# Altium PCB FMC_ADC_130M_16B_4CH.PcbDoc (part 7 of 8)
Units mm, origin at the board's own origin, x right, y up, seen from the top; angles counter-clockwise.
Board outline 76.78 x 69 mm, 8 copper layers (Top Layer, GND1, L3, GND2, L5, GND3, POWER, Bottom Layer), stack 1.329 mm thick; 397 components, 449 nets, 2112 pads, 1765 vias.
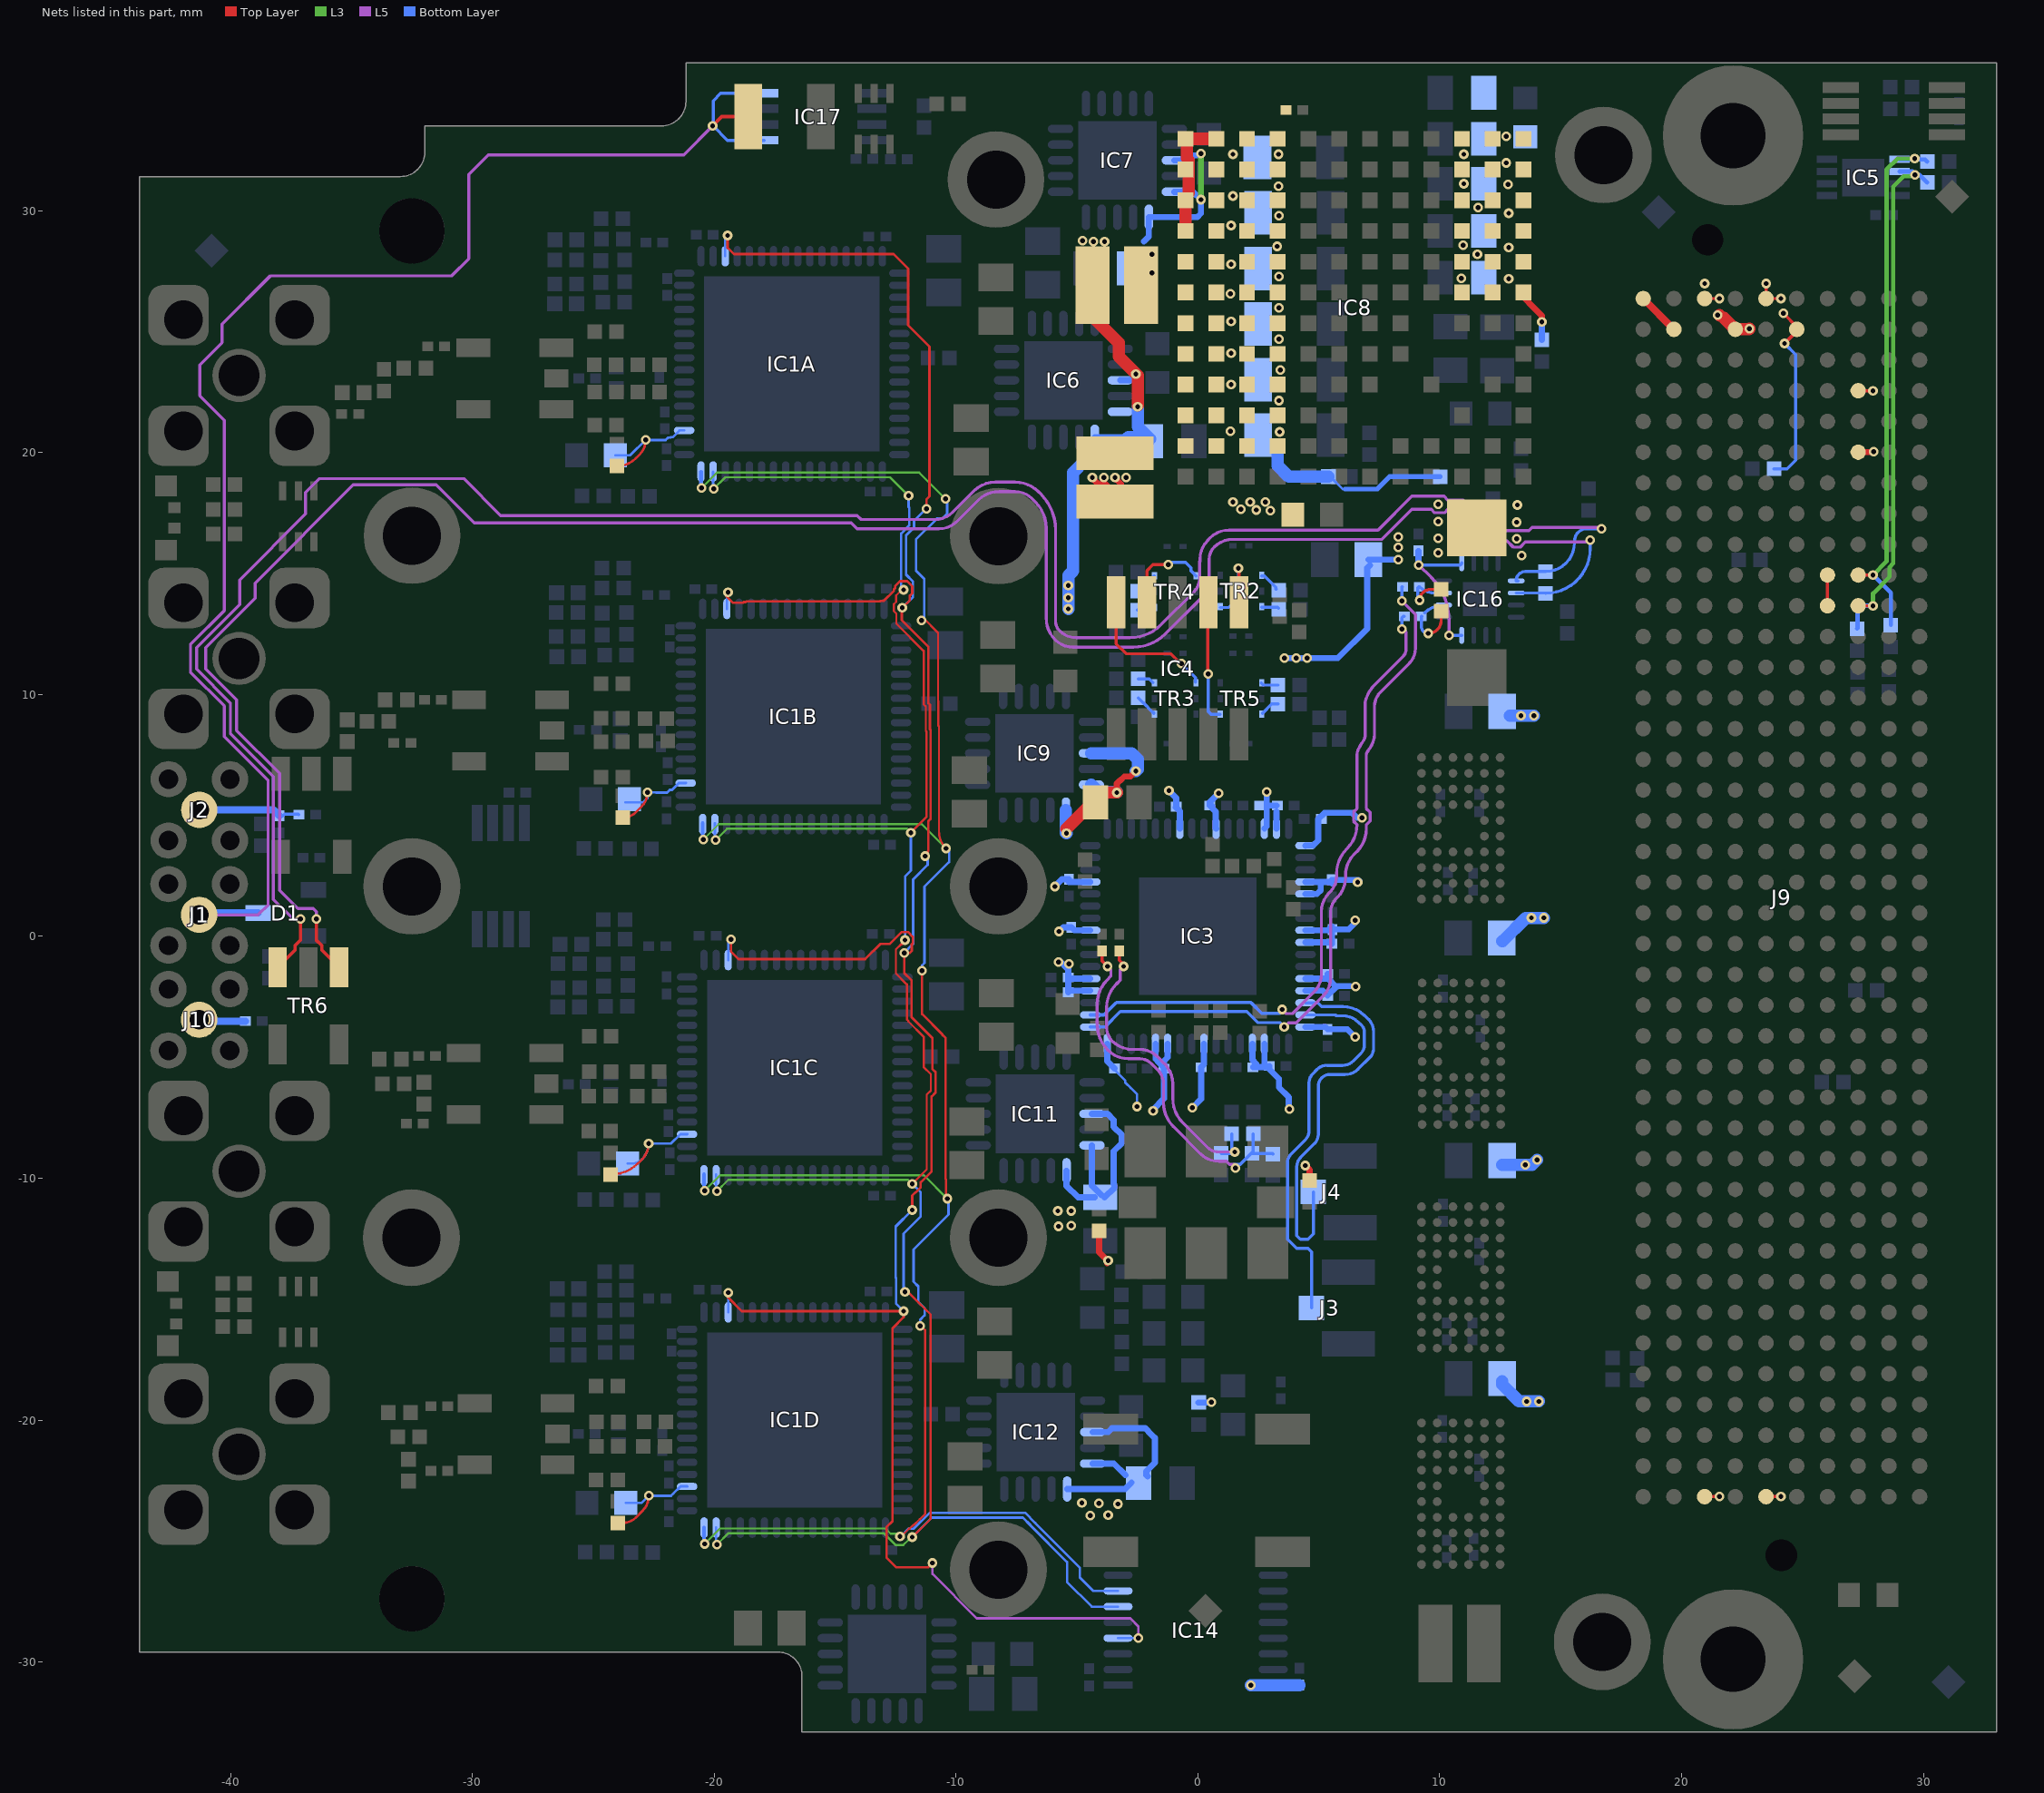
[diagram p13: the nets of this part, all layers, seen from the top]

## Via types
v1: diameter 0.4, hole 0.2, Top Layer to Bottom Layer, tented both sides, 1471 vias
v2: diameter 0.5, hole 0.2, Top Layer to Bottom Layer, tented both sides, 280 vias
v3: diameter 0.4, hole 0.2, Top Layer to Bottom Layer, 14 vias

## Nets (pads, with @x,y where several pads share a name; then routed paths per layer and width w, separated by ;. In a path a pad name is that pad's centre, name@x,y a point inside that pad or via, vN(x,y) a via of type N, cw(c..) or ccw(c..) an arc to the next point about the centre after c; other vN are vias at no path point) (continued)
P3V3_CLK: C50.1 C59.2 C60.2 C61.2 C62.2 C63.2 C64.2 C65.2 C66.2 C67.2 C68.2 C69.2 C70.2 C71.2 C72.2 C105.2 C106.2 C107.2 C108.2 C109.2 C110.2 IC3.4 IC3.5 IC3.9 IC3.13 IC3.23 IC3.26 IC3.30 IC3.31 IC3.33 IC3.36 IC3.37 IC3.40 IC3.41 IC3.44 IC3.45 IC3.48 IC3.51 IC3.52 IC3.56 IC3.59 IC3.60 IC3.64 IC16.8 IC16.13 L7.2 L8.1 R49.2 R50.2 | length 61.4
  Top Layer w0.254: R49.2@-4.089,-12.185 -4.089,-13.056 -3.734,-13.411 v1@-3.734,-13.487 ; v1@-3.759,-13.513 v1@-3.734,-13.487 ; v1(-3.708,-13.411) -3.708,-13.462 v1@-3.734,-13.487 ; v1(4.445,-9.474) 4.623,-9.652 R50.2@4.623,-10.091 ; v1@6.502,0.584 v1(6.502,0.66)
  L5 w0.127: v1(9.135,15.351) 9.646,14.84 cw(c7.85,13.043) 10.39,13.043 v1(10.39,12.445)
  Bottom Layer w0.102: C107.2@-3.449,-5.461 -3.449,-5.517 -3.003,-5.963 -3.003,-6.043 -2.969,-6.077 -2.969,-6.079 -2.777,-6.271 -2.775,-6.271 -2.515,-6.531 v1(-2.515,-7.036)
  Bottom Layer w0.127: v1(9.135,15.351) 10.815,15.351 ccw(c10.815,15.445) IC16.13@10.909,15.445 ; v1(10.39,12.445) IC16.8@10.909,12.445
  Bottom Layer w0.254: v1(-5.918,2.057) -5.619,2.357 C60.2@-5.334,2.357 ; v1(-5.766,-1.067) -5.766,-0.987 -5.744,-0.987 -5.365,-1.366 ; v1(-5.74,0.203) -5.568,0.375 C69.2@-5.232,0.375 -5.107,0.25 IC3.9@-4.45,0.25 ; v1(-5.334,-1.143) -5.334,-1.168 -5.365,-1.199 -5.365,-1.366 ; C60.2@-5.334,2.25 IC3.13@-4.45,2.25 ; IC3.4@-4.45,-2.25 -5.304,-2.25 C59.2@-5.365,-2.311 -5.365,-1.798 C68.2@-5.317,-1.75 ; IC3.5@-4.45,-1.75 C68.2@-5.317,-1.75 ; IC3.64@-3.75,-4.45 -3.75,-5.16 C107.2@-3.449,-5.461 ; v1(-1.854,-7.214) -1.88,-7.188 -1.4,-6.709 C108.2@-1.4,-5.469 C108.2@-1.4,-5.421 ; IC3.60@-1.75,-4.45 -1.75,-5.071 -1.646,-5.175 -1.534,-5.287 C108.2@-1.4,-5.421 ; IC3.59@-1.25,-4.45 -1.25,-5.004 -1.4,-5.154 C108.2@-1.4,-5.421 ; v1(-1.194,6.02) -0.895,5.721 C67.2@-0.895,5.359 ; C67.2@-0.914,5.334 -0.75,5.17 IC3.23@-0.75,4.45 ; v1(-0.229,-7.087) 0.133,-6.725 C105.2@0.133,-5.41 0.25,-5.293 IC3.56@0.25,-4.45 ; L8.1@0.025,-19.276 0.485,-19.276 0.508,-19.253 v1(0.559,-19.253) ; C70.2@0.488,5.41 0.488,5.543 v1(0.864,5.918) ; C70.2@0.584,5.385 0.584,5.309 0.735,5.158 0.735,4.465 IC3.26@0.75,4.45 ; IC3.52@2.25,-4.45 2.25,-5.115 C110.2@2.413,-5.278 ; C110.2@2.28,-5.41 2.749,-5.41 C109.2@2.75,-5.409 ; IC3.51@2.75,-4.45 C109.2@2.75,-5.409 ; IC3.30@2.75,4.45 2.845,4.545 2.845,5.41 ; v1(2.845,5.969) 2.845,5.41 ; IC3.31@3.25,4.45 3.25,5.155 ; C65.2@3.251,5.41 2.845,5.41 ; v1(3.581,11.506) 5.791,11.506 7.002,12.717 7.002,15.232 L7.2@7.112,15.342 ; v1(3.785,-7.137) 3.759,-7.163 3.759,-6.652 3.353,-6.245 3.353,-5.892 2.952,-5.491 C109.2@2.952,-5.359 2.902,-5.409 C109.2@2.75,-5.409 ; IC3.48@4.45,-3.75 5.268,-3.75 C106.2@5.359,-3.841 6.178,-3.841 v1(6.502,-4.166) ; IC3.45@4.45,-2.25 5.171,-2.25 5.359,-2.438 5.7,-2.098 5.719,-2.098 5.756,-2.061 ; IC3.44@4.45,-1.75 5.365,-1.75 ; IC3.41@4.45,-0.25 5.488,-0.25 C62.2@5.543,-0.305 5.543,0.265 C63.2@5.563,0.285 6.229,0.285 6.502,0.559 v1(6.502,0.66) ; IC3.40@4.45,0.25 5.386,0.25 C63.2@5.543,0.406 ; IC3.37@4.45,1.75 4.925,1.75 5.08,1.905 5.08,2.25 ; IC3.36@4.45,2.25 5.08,2.25 ; IC3.33@4.45,3.75 4.459,3.759 4.775,3.759 4.978,3.962 4.978,4.851 5.229,5.102 6.379,5.102 6.579,4.902 v1(6.782,4.902) ; C66.2@5.365,-1.549 5.365,-1.733 5.715,-2.083 5.737,-2.061 5.756,-2.061 ; C72.2@5.537,2.331 6.635,2.331 6.68,2.286 6.655,2.286 v1(6.604,2.235) ; C72.2@5.543,2.184 5.477,2.25 5.08,2.25 ; 6.299,-2.061 5.756,-2.061 ; L7.2@7.047,15.57 v1(8.28,15.57) ; C50.1@9.119,15.931 9.119,15.367 v1(9.135,15.351) ; -5.365,-1.366 C68.2@-5.365,-1.702 C68.2@-5.317,-1.75
  other v1: 6.528,-2.083 4.064,11.506 4.521,11.506 8.28,16.078 8.28,16.51
P4V0: C27.1 C32.1 C33.1 C34.1 C44.2 C52.1 C76.2 C81.1 C82.1 C96.2 IC7.13 IC7.15 IC7.16 IC8.J1 IC8.J2 IC8.J3 IC8.J4 IC8.J5 IC8.J6 IC8.J7 IC8.J8 IC8.J9 IC8.J10 IC8.J11 IC8.K1 IC8.K2 IC8.K3 IC8.K4 IC8.K5 IC8.K6 IC8.K7 IC8.K8 IC8.K9 IC8.K10 IC8.K11 IC8.L1 IC8.L2 IC8.L3 IC8.L4 IC8.L5 IC8.L6 IC8.L7 IC8.L8 IC8.L9 IC8.L10 IC8.L11 IC8.M1 IC8.M2 IC8.M3 IC8.M4 IC8.M5 IC8.M6 IC8.M7 IC8.M8 IC8.M9 IC8.M10 IC8.M11 L10.1 L15.1 R81.1 | length 21.1
  Top Layer w0.508: IC8.M4@-0.508,29.159 IC8.M3@-0.508,30.429 ; IC8.M3@-0.381,30.732 -0.381,32.082 -0.429,32.129 -0.429,32.153 -0.457,32.182 -0.457,32.918 IC8.M1@-0.508,32.969 IC8.L1@0.762,32.969
  L3 w0.254: v1(0.127,32.36) 0.127,30.582 v1@0.152,30.556
  Bottom Layer w0.12: C96.2@5.392,18.999 5.479,18.999 5.987,18.491 6.096,18.491
  Bottom Layer w0.2: 6.096,18.491 7.417,18.491 7.925,18.999 R81.1@10.015,18.999
  Bottom Layer w0.254: -2.235,28.727 -2.027,28.935 IC7.16@-2.027,29.73 -0.027,29.73 0.127,29.884 v1(0.127,30.455) -0.199,30.78 IC7.15@-0.977,30.78 ; IC7.13@-0.977,32.08 -0.381,32.08 -0.178,32.283 0.127,32.283 v1(0.127,32.36)
  Bottom Layer w0.508: 3.302,20.218 3.302,19.456 3.759,18.999 C96.2@5.392,18.999
  other v1: 2.997,17.602 2.413,17.628 1.778,17.653 1.448,17.958 2.159,17.958 2.794,17.958 3.378,20.853 1.346,20.879 3.353,22.149 1.372,22.809 3.404,23.419 1.372,24.105 3.353,24.689 1.372,25.425 3.353,25.984 1.346,26.568 3.353,27.28 -1.905,27.432 1.372,27.788 -1.905,28.194 3.277,28.524 1.372,29.388 3.353,29.794 1.448,30.607 3.327,31.013 1.448,32.334 3.327,32.334
P4V0_1: C75.2 C85.2 IC6.13 IC6.15 IC6.16 IC9.13 IC9.15 IC9.16 L10.2 | length 26.5
  Top Layer w0.254: v1(-3.353,5.944) -3.353,6.313 -3.214,6.452 -3.2,6.452 -3.045,6.607 -2.791,6.607 v1@-2.569,6.829
  Top Layer w0.508: v1@-5.436,4.445 -4.343,5.537 C85.2@-4.227,5.537 -3.821,5.944 v1(-3.353,5.944) ; L10.2@-4.343,25.781 -4.343,25.603 -3.275,24.535 -3.275,23.975 -2.489,23.189 v1@-2.489,21.946
  Bottom Layer w0.254: v1(-4.775,28.753) v1@-4.75,28.727 ; IC6.16@-4.263,20.637 -2.883,20.637 ; IC6.13@-3.213,22.987 -2.819,22.987 v1(-2.565,23.241)
  Bottom Layer w0.508: IC9.16@-5.456,5.219 -5.456,4.288 v1(-5.436,4.267) ; v1(-5.359,13.538) -5.359,14.91 -5.156,15.113 -5.156,19.177 -4.674,19.66 -3.861,19.66 -2.883,20.637 C75.2@-2.059,20.637 ; IC9.15@-4.406,6.269 -4.106,5.969 -3.353,5.969 v1(-3.353,5.944) ; IC9.13@-4.406,7.569 -2.743,7.569 -2.489,7.315 -2.489,6.909 v1(-2.565,6.833) ; v1(-2.489,21.895) -2.489,21.068 C75.2@-2.059,20.637 ; C75.2@-1.981,20.56 C75.2@-2.059,20.637
  other v1: -5.359,13.995 -5.359,14.503 -4.318,28.727 -3.861,28.727
P4V0_2: C95.2 C100.2 IC11.13 IC11.15 IC11.16 IC12.13 IC12.15 IC12.16 L15.2 | length 21.7
  Top Layer w0.254: v1@-4.42,18.999 -3.47,18.05 L15.2@-3.175,18.05 ; v1@-3.912,18.999 -3.912,18.787 L15.2@-3.175,18.05 ; v1@-3.48,18.999 -3.175,18.694 L15.2@-3.175,18.05
  Bottom Layer w0.254: IC11.16@-5.431,-9.691 -5.431,-10.317 -4.953,-10.795 C95.2@-4.267,-10.795 ; IC12.16@-5.406,-22.848 -3.01,-22.848 C100.2@-2.743,-22.581 ; IC11.15@-4.381,-8.641 -4.381,-10.3 C95.2@-3.988,-10.693 ; IC11.13@-4.381,-7.341 -3.734,-7.341 -3.48,-7.595 -3.48,-7.877 -3.153,-8.204 -3.153,-8.56 -3.48,-8.887 -3.48,-10.238 -3.454,-10.263 -3.454,-10.389 C95.2@-3.861,-10.795 ; IC12.15@-4.356,-21.798 -3.475,-21.798 -2.997,-22.276 ; IC12.13@-4.356,-20.498 -3.708,-20.498 -3.556,-20.345 ; -3.556,-20.34 -2.174,-20.34 -2.04,-20.474 -2.04,-20.49 -1.803,-20.726 -1.778,-20.726 -1.778,-21.768 -2.134,-22.123 -2.134,-22.276 C100.2@-2.083,-22.327
  other v1: -4.445,-23.952 -3.708,-23.927 -3.302,-23.47 -4.089,-23.444 -4.801,-23.419 -5.766,-11.989 -5.232,-11.963 -5.791,-11.354 -5.232,-11.354 -4.369,18.974 -3.886,18.974 -3.429,18.974 -2.972,18.974
P12V0: C28.1 C30.2 C35.1 C36.1 C38.2 C51.2 C88.2 IC8.A1 IC8.A2 IC8.A3 IC8.A4 IC8.A5 IC8.A6 IC8.B1 IC8.B2 IC8.B3 IC8.B4 IC8.B5 IC8.B6 IC8.C1 IC8.C2 IC8.C3 IC8.C4 IC8.C5 IC8.C6 J9.c35 J9.c37 R79.1 | length 3.5
  Top Layer w0.127: J9.c37@27.303,22.555 v1(27.915,22.555)
  Top Layer w0.254: IC8.A6@13.462,26.619 13.462,26.416 13.868,26.01 14.224,25.654 v1(14.224,25.4) ; J9.c35@27.303,20.015 27.915,20.015 v1(27.94,20.041)
  Bottom Layer w0.254: R79.1@14.224,24.656 v1(14.224,25.4)
  other v1: 13.386,15.744 9.931,15.85 13.183,16.432 9.931,16.459 13.183,17.12 9.931,17.145 13.208,17.831 9.931,17.856 12.852,27.178 10.897,27.203 11.557,28.194 12.852,28.473 10.973,28.575 12.852,29.896 11.582,30.124 12.827,31.09 10.998,31.115 12.751,31.979 10.998,32.334 12.751,33.071
PASSIVE1_CLK_N: R57.1 TR4.6 | length 0.7
  Bottom Layer w0.127: R57.1@-2.496,13.487 -2.007,13.487 TR4.6@-1.829,13.665
PASSIVE1_CLK_P: R56.1 TR4.8 | length 0.9
  Bottom Layer w0.127: R56.1@-2.413,14.275 -1.8,14.888 TR4.8@-1.8,14.899
PASSIVE2_CLK_N: R41.1 TR3.6 | length 0.9
  Bottom Layer w0.127: R41.1@-2.471,9.855 -2.464,9.855 -2.116,9.507 -2.113,9.507 -2.032,9.426 -2.032,9.423 -1.88,9.271 -1.854,9.271 -1.829,9.246 TR3.6@-1.829,9.22
PASSIVE2_CLK_P: R33.1 TR3.8 | length 0.7
  Bottom Layer w0.127: R33.1@-2.471,10.643 -2.007,10.643 TR3.8@-1.854,10.49
PASSIVE3_CLK_N: R61.1 TR2.6 | length 0.9
  Bottom Layer w0.127: TR2.6@2.638,14.899 2.754,14.899 3.226,14.427 3.226,14.351 R61.1@3.251,14.351
PASSIVE3_CLK_P: R60.1 TR2.8 | length 0.7
  Bottom Layer w0.127: TR2.8@2.638,13.599 3.292,13.599 R60.1@3.327,13.564
PASSIVE4_CLK_N: R59.1 TR5.6 | length 0.7
  Bottom Layer w0.127: TR5.6@2.616,10.465 2.692,10.389 R59.1@3.309,10.389
PASSIVE4_CLK_P: R58.1 TR5.8 | length 0.8
  Bottom Layer w0.127: TR5.8@2.667,9.22 3.048,9.601 R58.1@3.309,9.601
PG_M2C: J9.f1 | length 0.6
  Top Layer w0.127: J9.f1@23.493,-23.165 v1(24.105,-23.165)
PGA_1_0: IC1A.64 IC1B.64 IC1C.64 IC1D.64 IC14.7 | length 101.3
  Top Layer w0.089: -12.157,-24.698 -11.954,-24.495 -11.922,-24.495 -11.76,-24.333 -11.735,-24.333 -11.5,-24.098 -11.49,-24.098 -11.287,-23.896 -11.287,-23.886 -11.278,-23.876 -11.278,-16.281 -11.532,-16.027 -11.582,-16.077 -11.582,-16.104 v1(-11.481,-16.104) ; v1(-11.43,13.056) -11.405,13.081 -11.405,13.106 -11.354,13.157 -10.742,12.546 -10.742,9.726 -10.731,9.715 -10.731,8.699 -10.706,8.674 -10.706,4.337 ccw(c-9.709,4.337) -10.693,4.174 ccw(c-9.709,4.337) v1(-10.414,3.632) ; -10.439,-4.191 -10.439,-10.033 -10.421,-10.051 -10.421,-10.788 v1(-10.363,-10.846)
  Top Layer w0.102: v1(-11.405,-1.422) -11.405,-3.21 -10.566,-4.048 -10.566,-4.07 -10.445,-4.191
  L3 w0.089: v1(-20.525,18.531) -19.887,19.169 -11.523,19.169 v1(-10.439,18.085) ; v1(-20.452,4.001) -19.814,4.639 -11.421,4.639 v1(-10.414,3.632) ; v1(-20.399,-10.517) -19.761,-9.879 -11.33,-9.879 v1(-10.363,-10.846) ; v1(-20.396,-25.121) -19.759,-24.483 -12.916,-24.483 -12.704,-24.695 -12.44,-24.695 v1(-12.319,-24.816)
  Bottom Layer w0.102: v1(-12.319,-24.816) -12.284,-24.816 -11.957,-24.489 -11.746,-24.489 -11.088,-23.83 -7.15,-23.83 -6.723,-24.257 -6.723,-24.265 -4.877,-26.111 -4.877,-26.518 -4.332,-27.063 IC14.7@-3.302,-27.063 ; v1(-11.481,-16.104) -11.481,-15.845 -11.301,-15.665 -11.301,-15.373 -11.56,-15.115 -11.56,-14.476 -11.757,-14.28 -11.757,-12.948 -10.311,-11.501 -10.311,-10.898 v1(-10.363,-10.846) ; v1(-11.43,13.056) -11.321,13.165 -11.321,14.785 -11.659,15.122 -11.659,16.4 -10.784,17.275 -10.573,17.275 -10.366,17.482 -10.366,18.012 v1(-10.439,18.085) ; v1(-11.405,-1.422) -11.405,-1.201 -11.304,-1.1 -11.304,2.051 -10.287,3.068 -10.287,3.505 v1(-10.414,3.632)
  Bottom Layer w0.162: IC1A.64@-20.549,19.205 -20.549,18.555 v1(-20.525,18.531) ; IC1B.64@-20.475,4.675 -20.475,4.025 v1(-20.452,4.001) ; IC1C.64@-20.423,-9.843 -20.423,-10.493 v1(-20.399,-10.517) ; IC1D.64@-20.42,-24.447 -20.42,-25.097 v1(-20.396,-25.121)
RAND_ON_OFF: IC1A.63 IC1B.63 IC1C.63 IC1D.63 IC14.6 | length 94
  Top Layer w0.089: v1@-12.217,14.351 -12.475,14.093 -12.475,13.826 -12.571,13.73 -12.571,13.443 -12.47,13.342 -12.47,12.927 -11.339,11.796 -11.339,9.587 -11.252,9.5 -11.252,8.484 -11.227,8.458 -11.227,4.928 -11.339,4.815 ; v1(-12.116,-0.152) -12.239,-0.275 -12.239,-0.34 -12.285,-0.34 -12.487,-0.542 -12.487,-1.535 -12.033,-1.989 -12.033,-3.434 -11.97,-3.498 -11.97,-3.519 -11.341,-4.148 -11.341,-5.403 -11.044,-5.699 -11.044,-6.377 -11.211,-6.544 -11.211,-9.634 v1(-11.814,-10.237) ; v1@-11.984,-14.707 -11.517,-15.173 -11.51,-15.173 -11.308,-15.376 -11.308,-15.383 -11.049,-15.642 -11.049,-24.079 v1(-11.811,-24.841) ; v1(-11.867,4.281) -11.867,4.288 -11.339,4.815 ; -11.354,4.801 -11.339,4.815
  L3 w0.089: v1(-20.017,18.505) -19.544,18.978 -12.73,18.978 v1(-11.963,18.212) ; v1(-19.944,3.975) -19.471,4.449 -12.034,4.449 v1(-11.867,4.281) ; v1(-19.891,-10.543) -19.418,-10.069 -11.982,-10.069 v1(-11.814,-10.237) ; v1(-19.888,-25.147) -19.415,-24.673 -12.995,-24.673 -12.506,-25.162 -12.176,-25.162 -11.973,-24.959
  Bottom Layer w0.102: IC1A.63@-20.049,19.205 -20.049,18.537 v1(-20.017,18.505) ; IC1B.63@-19.975,4.675 -19.975,4.007 v1(-19.944,3.975) ; IC1C.63@-19.923,-9.843 -19.923,-10.511 v1(-19.891,-10.543) ; IC1D.63@-19.92,-24.447 -19.92,-25.115 v1(-19.888,-25.147) ; v1(-12.167,14.326) -12.268,14.427 -12.268,16.653 -11.94,16.981 -11.94,17.729 -11.963,17.753 v1(-11.963,18.212) ; v1(-12.116,-14.707) -12.167,-14.707 -12.167,-12.291 -11.461,-11.586 -11.461,-10.59 v1(-11.814,-10.237) ; v1(-12.116,-0.152) -12.1,-0.137 -12.1,2.486 -11.867,2.719 v1(-11.867,4.281) ; v1(-11.811,-24.841) -11.003,-24.034 -7.234,-24.034 -6.926,-24.341 -6.926,-24.349 -5.41,-25.865 -5.41,-26.695 -4.393,-27.713 IC14.6@-3.302,-27.713
REF_N: IC16.2 pad.EndPad pad.StartPad R20.1 TR6.3 | length 91.3
  Top Layer w0.145: v1(-36.452,0.711) -36.452,-0.156 -36.225,-0.383 -36.225,-0.564 TR6.3@-35.509,-1.28
  L5 w0.127: v1(-36.452,0.711) -36.452,1.019 -36.576,1.143 -37.211,1.143 -37.973,1.905 -37.973,6.731 -39.751,8.509 -39.751,9.779 -41.021,11.049 -41.021,11.938 -38.989,13.97 -38.989,14.605 -34.925,18.669 -31.496,18.669 -29.921,17.094 -14.331,17.094 -14.089,16.852 -13.804,16.852 -13.796,16.844 -10.713,16.844 ccw(c-10.713,17.901) -9.966,17.153 -9.087,18.032 cw(c-8.224,17.17) -8.224,18.39 -7.563,18.39 cw(c-7.563,17.404) -6.866,18.101 -6.72,17.955 cw(c-7.799,16.877) -6.274,16.877 -6.274,13.17 ccw(c-4.975,13.17) -5.894,12.252 ccw(c-5.177,12.968) -5.177,11.955 -2.665,11.955 ccw(c-2.665,13.81) -1.354,12.498 ; -1.353,12.498 pad.EndPad@0.212,14.063 ; pad.EndPad@0.212,14.063 ccw(c-0.401,14.676) 0.465,14.676 pad.StartPad@0.465,15.059 0.465,15.59 cw(c1.173,15.59) 0.673,16.091 ; 0.673,16.091 cw(c1.441,15.321) 1.441,16.408 7.612,16.408 8.852,17.649 9.653,17.649 9.789,17.512 10.201,17.512 10.338,17.649 10.809,17.649 12.12,16.337 12.791,16.337 13.04,16.088 13.325,16.088 13.542,16.305 16.142,16.305 v1(16.222,16.385)
  Bottom Layer w0.127: IC16.2@13.159,14.195 14.376,14.195 R20.1@14.376,14.18 ccw(c14.376,16.026) 16.222,16.026 v1(16.222,16.385)
REF_P: IC16.1 R20.2 TR6.1 | length 92.9
  Top Layer w0.145: TR6.1@-38.049,-1.28 -37.333,-0.564 -37.333,-0.383 -37.106,-0.156 v1(-37.106,0.711)
  L5 w0.127: v1(-37.106,0.711) -37.414,0.711 -38.227,1.524 -38.227,6.604 -40.005,8.382 -40.005,9.652 -41.402,11.049 -41.402,11.938 -39.624,13.716 -39.624,14.732 -36.893,17.463 -36.893,18.352 -36.322,18.923 -30.353,18.923 -28.829,17.399 -14.097,17.399 -13.931,17.233 -10.871,17.233 ccw(c-10.871,18.282) -10.129,17.54 -9.25,18.419 ; -9.249,18.42 cw(c-8.382,17.551) -8.382,18.779 -7.563,18.779 cw(c-7.563,17.404) -6.591,18.376 -6.501,18.287 cw(c-7.99,16.798) -5.885,16.798 -5.885,13.012 ccw(c-5.356,13.012) -5.73,12.639 ccw(c-5.02,13.349) -5.02,12.344 -2.822,12.344 ccw(c-2.822,14.191) -1.517,12.885 -0.175,14.227 ccw(c-0.782,14.833) 0.076,14.833 0.076,15.494 0.084,15.502 0.084,15.59 cw(c1.173,15.59) 0.403,16.36 ; 0.397,16.366 0.508,16.477 cw(c1.283,15.702) 1.283,16.798 7.45,16.798 8.853,18.2 10.176,18.2 10.338,18.038 10.97,18.038 12.232,16.776 13.691,16.776 13.822,16.907 16.625,16.907 v1(16.684,16.847)
  Bottom Layer w0.127: IC16.1@13.247,14.695 IC16.1@13.159,14.695 cw(c13.544,14.695) 13.544,15.08 R20.2@14.376,15.08 ccw(c14.376,16.274) 15.57,16.274 15.57,16.332 cw(c16.085,16.332) 16.085,16.847 v1(16.684,16.847)
REFIN_C_N: C49.1 IC3.2 | length 27.1
  L5 w0.127: v1(3.48,-3.023) 3.65,-3.193 3.912,-3.193 4.794,-2.311 ccw(c4.043,-1.559) 5.105,-1.559 5.105,1.016 cw(c6.224,1.016) 5.433,1.806 5.469,1.843 ccw(c4.838,2.473) 5.486,1.86 ccw(c4.838,2.473) 5.73,2.473 5.73,2.582 cw(c7.202,2.582) 5.78,2.96 cw(c7.202,2.582) 6.162,3.623 6.169,3.63 ccw(c5.18,4.619) 6.579,4.619 6.438,4.76 6.438,5.143 6.579,5.283 6.579,7.201 6.583,7.205 6.583,7.503 cw(c7.164,7.503) 6.693,7.844 cw(c7.744,7.34) 6.725,7.904 cw(c7.744,7.34) 6.859,8.099 ccw(c6.253,8.376) 6.92,8.376 6.92,9.634 cw(c7.815,9.634) 6.922,9.692 cw(c8.262,9.41) 6.961,9.837 cw(c8.262,9.41) 7.294,10.379 8.477,11.562 ccw(c8.158,11.881) 8.609,11.881 8.609,12.524 ccw(c8.433,12.524) v1(8.433,12.7)
  Bottom Layer w0.127: v1(8.433,12.7) 8.433,13.126 cw(c8.54,13.126) C49.1@8.54,13.233
  Bottom Layer w0.135: IC3.2@-4.45,-3.25 -3.885,-3.25 -3.4,-2.765 -3.365,-2.73 2.182,-2.73 2.217,-2.765 2.634,-3.182 3.396,-3.182 v1@3.48,-3.099
REFIN_C_P: C47.1 IC3.1 | length 29.2
  L5 w0.127: v1(3.569,-3.753) 3.744,-3.578 4.071,-3.578 5.178,-2.471 ccw(c4.424,-1.717) 5.49,-1.717 5.49,1.025 cw(c6.214,1.025) 5.702,1.537 5.739,1.573 ccw(c4.838,2.473) 5.87,1.727 ccw(c4.838,2.473) 6.111,2.473 6.111,2.582 cw(c7.202,2.582) 6.125,2.755 cw(c7.202,2.582) 6.431,3.354 6.568,3.49 ccw(c5.613,4.446) 6.964,4.446 6.964,4.604 6.971,4.611 7.121,4.761 7.121,5.125 6.964,5.283 6.964,7.503 cw(c7.164,7.503) 7.022,7.644 cw(c7.735,7.349) 7.04,7.684 ccw(c6.253,8.376) 7.177,7.882 ccw(c6.253,8.376) 7.301,8.376 7.301,9.493 cw(c8.155,9.493) 7.551,10.097 8.746,11.292 ccw(c8.158,11.881) 8.99,11.881 ; v1(8.433,13.868) 8.994,13.307 8.994,11.881
  Bottom Layer w0.127: IC3.1@-4.45,-3.75 -3.841,-3.75 -3.205,-3.115 2.023,-3.115 2.475,-3.567 3.384,-3.567 v1(3.569,-3.753) ; v1(8.433,13.868) 8.433,14.422 cw(c8.464,14.422) C47.1@8.464,14.453
REFIN_N: C49.2 IC16.10 R89.1 | length 3
  Top Layer w0.127: v1(9.525,12.522) ccw(c9.525,13.056) 10.058,13.056 R89.1@10.058,13.444
  Bottom Layer w0.127: C49.2@9.271,13.233 C49.2@9.24,13.233 9.24,12.807 ccw(c9.525,12.807) v1(9.525,12.522) ; C49.2@9.378,13.371 cw(c10.159,12.59) IC16.10@10.159,13.695
REFIN_P: C47.2 IC16.11 R89.2 | length 2.8
  Top Layer w0.127: v1(9.169,13.894) cw(c9.619,13.894) 9.619,14.344 R89.2@10.058,14.344
  Bottom Layer w0.127: v1@9.094,13.894 9.094,14.383 cw(c9.164,14.383) C47.2@9.164,14.453 ccw(c9.787,15.075) 9.787,14.195 IC16.11@10.159,14.195
RF1: C40.2 C42.2 J2.1 | length 4.3
  Bottom Layer w0.127: C42.2@-37.973,4.978 -37.847,4.978 -37.77,5.055 -37.201,5.055 C40.2@-37.18,5.034
  Bottom Layer w0.3: J2.1@-41.294,5.228 -38.223,5.228 C42.2@-37.973,4.978
RF2: C48.2 J10.1 | length 2
  Bottom Layer w0.12: J10.1@-41.297,-3.611 J10.1@-41.191,-3.505
  Bottom Layer w0.3: J10.1@-41.191,-3.505 C48.2@-39.39,-3.505
RF3: D1.3 IC17.1 IC17.4 J1.1 R87.2 | length 64.6
  Top Layer w0.145: v1(-20.066,33.503) -19.685,33.884 R87.2@-18.594,33.884
  L5 w0.127: J1.1@-41.297,0.889 -38.862,0.889 -38.446,1.305 -38.446,6.442 -40.259,8.255 -40.259,9.525 -41.656,10.922 -41.656,12.065 -40.259,13.462 -40.259,21.336 -41.275,22.352 -41.275,23.622 -40.35,24.547 -40.35,25.309 -38.354,27.305 -30.861,27.305 -30.15,28.016 -30.15,31.496 -29.337,32.309 -21.26,32.309 v1(-20.066,33.503)
  Bottom Layer w0.127: J1.1@-41.297,0.889 J1.1@-41.221,0.965 ; IC17.4@-18.529,34.874 -18.554,34.849 -19.736,34.849 -20.041,34.544 -20.041,33.503 -19.449,32.911 IC17.1@-17.941,32.911
  Bottom Layer w0.3: J1.1@-41.221,0.965 D1.3@-38.869,0.965
RF4: IC4.10 TR3.1 | length 5.7
  Top Layer w0.12: IC4.10@-3.378,13.804 -3.378,12.09 -2.972,11.684 -1.39,11.684 -1.384,11.678 -1.107,11.678 -0.783,11.354 v1@-0.686,11.354
  Bottom Layer w0.127: v1(-0.686,11.278) -0.102,10.693 TR3.1@-0.102,10.516
RF5: IC4.9 TR4.1 | length 3.8
  Top Layer w0.127: IC4.9@-2.108,13.804 -2.108,15.113 -1.854,15.367
  Top Layer w0.135: -1.854,15.367 v1(-1.219,15.367)
  Bottom Layer w0.135: v1(-1.219,15.367) -1.131,15.455 -0.506,15.455 -0.291,15.24 -0.291,15.111 TR4.1@-0.08,14.899
RF6: IC4.6 TR2.1 | length 3.5
  Top Layer w0.135: v1@1.676,15.189 1.702,15.164 IC4.6@1.702,13.804
  Bottom Layer w0.12: TR2.1@0.918,13.599 1.28,13.599 1.676,13.995 v1(1.676,15.215)
RF7: IC4.7 TR5.1 | length 4.4
  Top Layer w0.135: IC4.7@0.406,13.132 0.406,10.871 v1(0.432,10.846)
  Bottom Layer w0.135: v1(0.432,10.846) 0.432,9.296 0.548,9.18 TR5.1@0.918,9.18
RF_AUX_N: IC3.46 J4.1 | length 16.2
  Bottom Layer w0.127: IC3.46@4.45,-2.75 4.958,-2.75 5.077,-2.869 5.08,-2.869 5.119,-2.908 5.994,-2.908 cw(c5.994,-4.191) 6.884,-3.267 cw(c5.994,-4.191) 6.901,-3.284 ; J4.1@4.774,-10.566 4.774,-12.295 4.547,-12.522 4.242,-12.522 4.089,-12.37 4.089,-9.515 cw(c4.604,-9.515) 4.24,-9.152 4.822,-8.569 ; 4.822,-8.569 ccw(c4.445,-8.192) 4.978,-8.192 4.978,-6.193 cw(c5.457,-6.193) 5.118,-5.854 cw(c5.455,-6.191) 5.455,-5.715 6.073,-5.715 ccw(c6.073,-4.91) 6.642,-5.48 ; 6.642,-5.479 7.113,-5.008 ccw(c6.748,-4.643) 7.264,-4.643 7.264,-3.937 ccw(c6.546,-3.937) 7.241,-3.756 ccw(c6.546,-3.937) 7.054,-3.429 6.96,-3.335